# Altium PCB DSP-V1.0.PcbDoc (part 1 of 2) (continued)
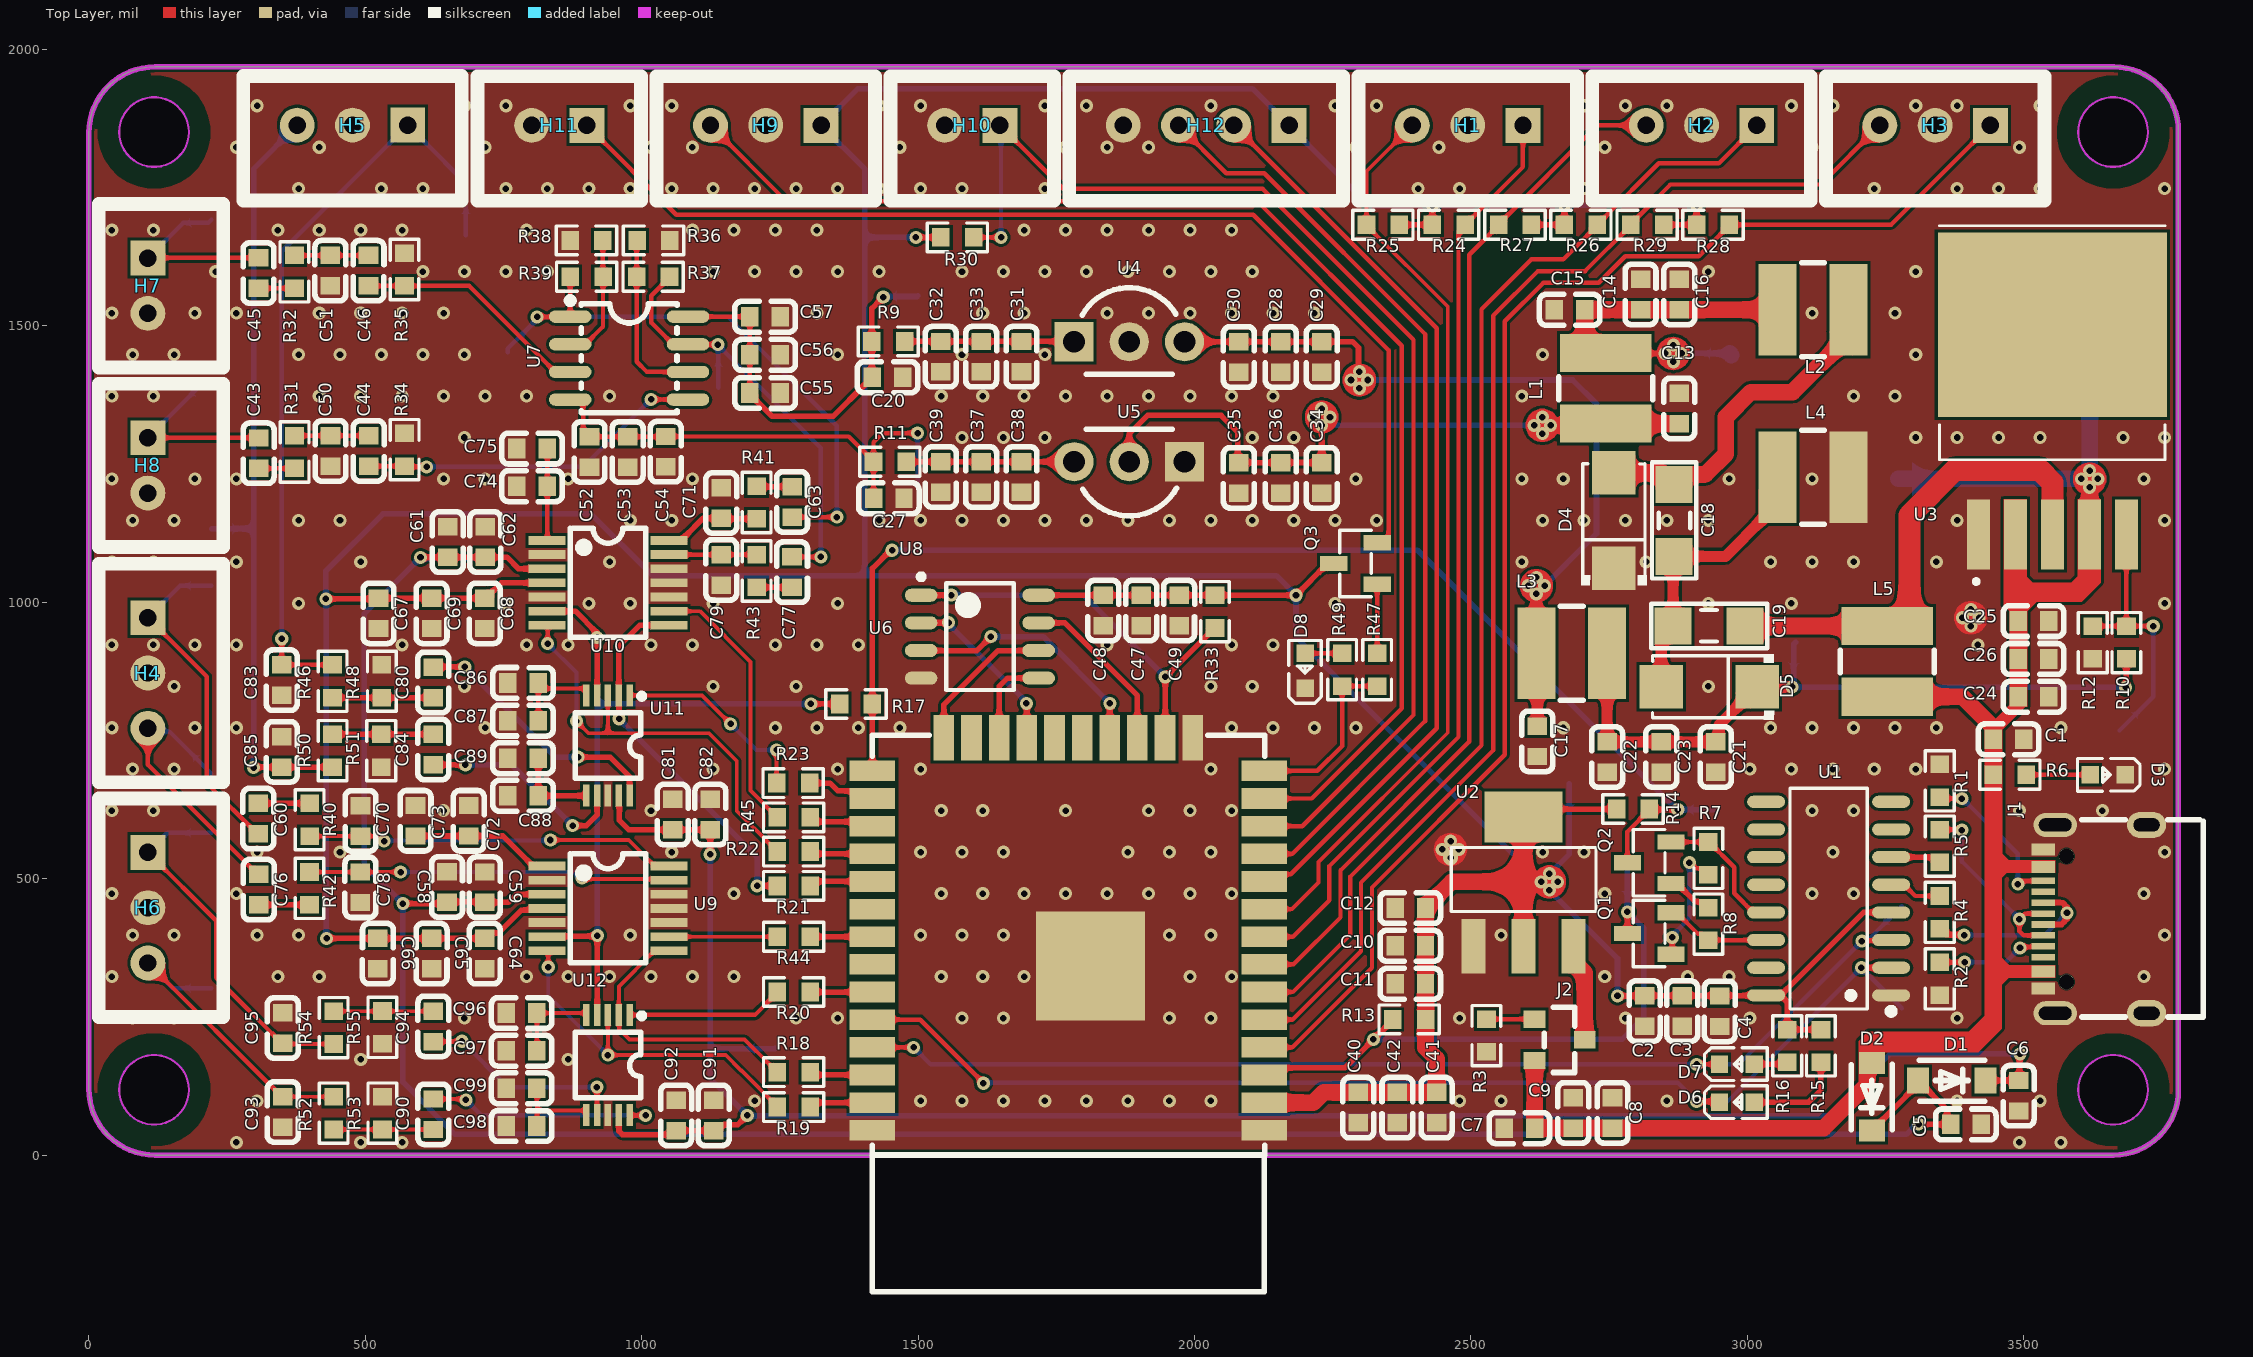
[diagram p0: Top Layer view]
## Components (designator, comment, footprint, x,y, rotation, side; value= is the part's Value field where it differs from the comment) (continued)
R32 "560" R0603 372,1597.59 r90 top
R33 "10kΩ" R0603 2037,983.03 r90 top
R34 "10kΩ" R0603 571.22,1275.88 r270 top
R35 "10kΩ" R0603 571,1601.78 r270 top
R36 "1kΩ" R0603 1021.35,1654.4 r180 top
R37 "5k1Ω" R0603 1020.66,1588.65 r0 top
R38 "1kΩ" R0603 900.16,1654.4 r0 top
R39 "5k1Ω" R0603 900.47,1588.65 r180 top
R40 "100Ω" R0603 399.5,606.61 r90 top
R41 "100Ω" R0603 1208,1180.5 r90 top
R42 "100Ω" R0603 399.25,482.41 r270 top
R43 "100Ω" R0603 1208,1056.52 r270 top
R44 "10Ω" R0603 1275,395 r180 top
R45 "10Ω" R0603 1275,611 r180 top
R46 "470Ω" R0603 441,857 r90 top
R47 "1kΩ" R0603 2330.37,878 r90 top
R48 "10kΩ" R0603 530,857.1 r270 top
R49 "100Ω" R0603 2267,878 r90 top
R50 "470Ω" R0603 441,731.59 r270 top
R51 "10kΩ" R0603 529,731.59 r90 top
R52 "470Ω" R0603 443,76 r90 top
R53 "10kΩ" R0603 531,76 r270 top
R54 "470Ω" R0603 443,230.68 r270 top
R55 "10kΩ" R0603 531,231 r90 top
SP1 "SP" SP 3630,1416 r90 top
SP2 "SP" SP 3630,1628 r90 top
TP1 "TP" TP 701.5,1077.5 r0 top
TP2 "TP" TP 1242,193 r0 top
TP3 "TP" TP 3273,1223 r0 top
TP4 "TP" TP 2678,672 r0 top
TP5 "TP" TP 3652,337 r0 top
TP6 "TP" TP 2971,1447 r0 top
TP7 "TP" TP 3087,928 r0 top
TP8 "TP" TP 3673,768 r0 top
TP9 "TP" TP 2782.89,515.14 r0 top
TP10 "TP" TP 2940,625 r90 top
TP11 "TP" TP 3652,513 r90 top
TP12 "TP" TP 3279,450.02 r90 top
TP13 "TP" TP 1703,584 r90 top
TP14 "TP" TP 3279,266 r90 top
TP15 "TP" TP 3652,425 r90 top
TP16 "TP" TP 1821,584 r90 top
TP17 "TP" TP 1499,1554 r90 top
TP18 "TP" TP 222,1399 r90 top
TP19 "TP" TP 222,1692 r90 top
TP20 "TP" TP 1499,1219 r90 top
TP21 "TP" TP 222,1030.04 r90 top
TP22 "TP" TP 758,1452 r90 top
TP23 "TP" TP 222,690 r90 top
TP24 "TP" TP 1139,1388 r90 top
TP25 "TP" TP 682,1664 r90 top
TP26 "TP" TP 222,1133 r90 top
TP27 "TP" TP 222,302 r90 top
TP28 "TP" TP 222,583 r90 top
U1 "CH340C" CH340C 3146.89,464 r90 top
U2 "AMS1117-3.3" AMS1117-3.3 2595,494.5 r270 top
U3 "XL6009" XL6009 3551.53,1312.43 r90 top
U4 "L78L12ACZ-AP" L78L12ACZ-AP 1882.02,1471.09 r0 top
U5 "L79L12ACZ-TR" L79L12ACZ-TR 1882.02,1254.12 r180 top
U6 "ESP32-WROOM-32D-N4" ESP32-WROOM-32D-N4 1771.65,399.92 r90 top
U7 "TL072CDR" TL072CDR 977.31,1441.53 r270 top
U8 "PSRAM64H" PSRAM64H 1611.78,937.69 r0 top
U9 "PCM1808PWR" PCM1808PWR 939,446.18 r270 top
U10 "PCM1808PWR" PCM1808PWR 939,1035 r270 top
U11 "CS4344-CZZR" CS4344-CZZR 939,741 r180 top
U12 "CS4344-CZZR" CS4344-CZZR 939,163 r180 top

## Footprints (in the part's own frame and the unit in brackets; to place one, negate y for a bottom-side part, rotate by r counter-clockwise, add the part's x,y. Pads: shape width x height; smd on the part's side, far side on the other; paste and mask are expansions set on the pad)
AMS1117-3.3 [mm]
  rect 2.5x1.1 smd paste+0 mask+0.051: 1(2.97,-2.3) 2(2.97,0) 3(2.97,2.3)
  rect 2.34x3.6 smd paste+0 mask+0.051: 4(-2.97,0)
  silkscreen extent -1.57,-3.33 1.37,3.33, body extent -3.37,-3.25 3.63,3.25, height 1.8
AO3401A [mm]
  rect 1x0.8 smd paste+0 mask+0.051: 1(1.15,-0.95) 2(1.15,0.95) 3(-1.15,0)
  silkscreen extent -0.7,-1.5 0.7,1.5, body extent -1.4,-1.45 1.4,1.45, height 1.26
C0603 [mm]
  rect 0.8x0.9 smd: 1(-0.7,0) 2(0.7,0)
  silkscreen extent -1.39,-0.71 1.39,0.71, body extent -0.8,-0.4 0.8,0.4, height 0.4
C1206 [mm]
  rect 1.7x1.7 smd: 1(-1.65,0) 2(1.65,0)
  silkscreen extent -2.67,-1.02 2.67,1.02, body extent -1.6,-0.8 1.6,0.8, height 0.6
CD43 [mm]
  rect 4.2x1.75 smd paste+0 mask+0.051: 1(0,1.625) 2(0,-1.625)
  silkscreen extent -2.16,-0.52 2.16,0.52, body extent -2,-2.25 2,2.25, height 3.22
CH340C [mm]
  oval 0.56x1.745 smd paste+0 mask+0.051: 1(-4.445,-2.873) 2(-3.175,-2.873) 3(-1.905,-2.873) 4(-0.635,-2.873) 5(0.635,-2.873) 6(1.905,-2.873) 7(3.175,-2.873) 8(4.445,-2.873) 9(4.445,2.873) 10(3.175,2.873) 11(1.905,2.873) 12(0.635,2.873) 13(-0.635,2.873) 14(-1.905,2.873) 15(-3.175,2.873) 16(-4.445,2.873)
  silkscreen extent -5.33,-3.02 5.08,1.77, body extent -4.95,-3.18 5.05,3.28, height 1.92
CS4344-CZZR [mm]
  rect 0.3x1 smd paste+0 mask+0.051: 1(-1,-2.3) 2(-0.5,-2.3) 3(0,-2.3) 4(0.5,-2.3) 5(1,-2.3) 6(1,2.3) 7(0.5,2.3) 8(0,2.3) 9(-0.5,2.3) 10(-1,2.3)
  silkscreen extent -1.68,-2.39 1.5,1.5, body extent -1.5,-2.45 1.5,2.45, height 1.11
ESP32-WROOM-32D-N4 [mm]
  rect 0.95x2.1 smd paste+0 mask+0.051: 1(-9.015,-9) 2(-7.745,-9) 3(-6.475,-9) 4(-5.205,-9) 5(-3.935,-9) 6(-2.665,-9) 7(-1.395,-9) 8(-0.125,-9) 9(1.145,-9) 10(2.415,-9) 11(3.685,-9) 12(4.955,-9) 13(6.225,-9) 14(7.495,-9) 25(7.495,9) 26(6.225,9) 27(4.955,9) 28(3.685,9) 29(2.415,9) 30(1.145,9) 31(-0.125,9) 32(-1.395,9) 33(-2.665,9) 34(-3.935,9) 35(-5.205,9) 36(-6.475,9) 37(-7.745,9) 38(-9.015,9)
  rect 2.1x0.95 smd paste+0 mask+0.051: 15(9.015,-5.715) 16(9.015,-4.445) 17(9.015,-3.175) 18(9.015,-1.905) 19(9.015,-0.635) 20(9.015,0.635) 21(9.015,1.905) 22(9.015,3.175) 23(9.015,4.445) 24(9.015,5.715)
  rect 5x5 smd paste+0 mask+0.051: 39(-1.472,-1.017)
  silkscreen extent -16.44,-9.02 9.12,9.02, body extent -16.48,-9.05 9.07,9.05, height 3.9
L78L12ACZ-AP [mm]
  rect 1.8x1.8 hole 1 paste-2539.97 mask+0.051: 1(-2.54,0)
  round 1.8 hole 1 paste-2539.97 mask+0.051: 2(0,0) 3(2.54,0)
  silkscreen extent -2.17,-1.5 2.14,2.48, body extent -2.84,-1.5 2.84,2.4, height 7.24
L79L12ACZ-TR [mm]
  rect 1.8x1.8 hole 1 paste-2539.97 mask+0.051: 1(-2.54,0)
  round 1.8 hole 1 paste-2539.97 mask+0.051: 2(0,0) 3(2.54,0)
  silkscreen extent -2.17,-1.5 2.14,2.48, body extent -2.84,-1.5 2.84,2.4, height 7.24
LED0603 [mm]
  rect 0.8x0.8 smd paste+0 mask+0.051: 1(-0.799,-0.004) 2(0.799,0.004)
  silkscreen extent -1.49,-0.75 1.39,0.76, body extent -0.8,-0.42 0.8,0.38, height 0.7
PCM1808PWR [mm]
  rect 0.4x1.7 smd paste+0 mask+0.051: 1(-1.95,-2.8) 2(-1.3,-2.8) 3(-0.65,-2.8) 4(0,-2.8) 5(0.65,-2.8) 6(1.3,-2.8) 7(1.95,-2.8) 8(1.95,2.8) 9(1.3,2.8) 10(0.65,2.8) 11(0,2.8) 12(-0.65,2.8) 13(-1.3,2.8) 14(-1.95,2.8)
  silkscreen extent -2.51,-1.74 2.5,1.74, body extent -2.5,-3.15 2.5,3.15, height 1.01
PSRAM64H [mm]
  oval 1.5x0.6 smd: 1(-2.7,1.905) 2(-2.7,0.635) 3(-2.7,-0.635) 4(-2.7,-1.905) 5(2.7,-1.905) 6(2.7,-0.635) 7(2.7,0.635) 8(2.7,1.905)
  silkscreen extent -2.82,-2.45 1.55,2.88, body extent -3,-2.45 3,2.45, height 1.76
R0603 [mil]
  rect 31.75x34.02 smd paste-3937.01 mask+2: 1(-29.66,0) 2(29.66,0)
  silkscreen extent -55,-26 55,26, body extent -31,-16 31,16, height 18
S8050 [mm]
  rect 1.25x0.7 smd paste+0 mask+0.051: 1(1,-0.95) 2(1,0.95) 3(-1,0)
  silkscreen extent -0.73,-1.53 0.73,1.53, body extent -1.25,-1.5 1.25,1.5, height 1.1
SOD4007 [mm]
  rect 1x1.2 smd paste+0 mask+0.051: 1(-1.55,0) 2(1.55,0)
  silkscreen extent -1.52,-0.93 1.49,0.95, body extent -1.9,-0.9 1.9,0.9, height 1.02
SP [mm]
  oval 3x5 smd far side paste+0 mask+0.051: 1(0,0)
SS34 [mm]
  rect 2x2 smd paste+0 mask+0.051: 1(-2.2,0) 2(2.2,0)
  silkscreen extent -2.98,-1.5 2.6,1.5, body extent -2.65,-1.29 2.49,1.27, height 2.63
TL072CDR [mil]
  oval 22.38x76.78 smd paste+0 mask+2: 1(-75,-106.5) 2(-25,-106.5) 3(25,-106.5) 4(75,-106.5) 5(75,106.5) 6(25,106.5) 7(-25,106.5) 8(-75,106.5)
  silkscreen extent -110,-112 98,87, body extent -96,-118 96,118, height 69
TP [mm]
  round 2 smd far side paste+0 mask+0.051: 1(0,0)
TYPE_C_FAMALE [mm]
  rect 0.55x1.1 smd paste-100 mask+0.05: 1(-3.2,2.375) 2(-2.4,2.375) 11(2.4,2.375) 12(3.2,2.375)
  rect 0.3x1.1 smd paste-100 mask+0.05: 3(-1.75,2.375) 4(-1.25,2.375) 5(-0.75,2.375) 6(-0.25,2.375) 7(0.25,2.375) 8(0.75,2.375) 9(1.25,2.375) 10(1.75,2.375)
  oval 1.2x1.8 hole 0.6 slot 1.2 at 90 deg paste-2539.97 mask+0.05: 13(-4.325,-2.375) 14(4.325,-2.375)
  oval 1.1x2 hole 0.6 slot 1.5 at 90 deg paste-2539.97 mask+0.05: 13(-4.325,1.825) 14(4.325,1.825)
  round 0.7 hole 0.7 unplated paste-2539.97: ""(-2.89,1.305) ""(2.89,1.305)
  silkscreen extent -4.5,-4.97 4.57,0.6, body extent -4.57,-5.09 4.63,2.86, height 3.21
XH2.54M-2 [mm]
  rect 1.6x1.6 hole 0.8: 1(0,0)
  round 1.6 hole 0.8: 2(2.54,0)
  silkscreen extent -2.48,-2.26 5.02,3.46, body extent -2.48,-2.26 5.02,3.48, height 6.91
XH2.54M-3 [mm]
  rect 1.6x1.6 hole 0.8: 1(0,0)
  round 1.6 hole 0.8: 2(2.54,0) 3(5.08,0)
  silkscreen extent -2.48,-2.26 7.56,3.46, body extent -2.48,-2.26 7.56,3.48, height 6.91
XH2.54M-4 [mm]
  rect 1.6x1.6 hole 0.8: 1(0,0)
  round 1.6 hole 0.8: 2(2.54,0) 3(5.08,0) 4(7.62,0)
  silkscreen extent -2.48,-2.26 10.1,3.46, body extent -2.48,-2.26 10.1,3.48, height 6.91
XL6009 [mm]
  rect 3.21x1.05 smd: 1(-4.815,3.4) 2(-4.815,1.7) 3(-4.815,0) 4(-4.815,-1.7) 5(-4.815,-3.4)
  rect 8.46x10.53 smd paste-6: 6(4.815,0)
  silkscreen extent -7.08,-5.18 9.37,5.18, body extent -5.86,-5.08 8.49,5.08, height 4.65

## Part data
C1 C2 C7 C10 C14 C21 C24 C28 C31 C34 C37 C40 C47 C52 C55 C59 C62 C64 C67 C72 C74 C82 C86 C88 C92 C96 C98: library part C0603_100nF_±10%_X7R, "50V 100nF X7R ±10% 0603 Multilayer Ceramic Capacitors MLCC - SMD/SMT ROHS", LCSC Part #=C14663, Manufacturer=YAGEO, Mfr. Part #=CC0603KRX7R9BB104, Package=0603, Temperature Coefficient=X7R, Tolerance=±10%, Capacitance=100nF, Link=https://www.lcsc.com/product-detail/C14663.html?s_z=n_capital%25200603%2520100nf
C3 C8 C11 C15 C22 C25 C29 C32 C35 C38 C41 C48 C53 C56 C65 C68 C73 C75 C87 C89 C97 C99: library part C0603_10uF_±10%_X7R, "25V 10uF X5R ±20% 0603 Multilayer Ceramic Capacitors MLCC - SMD/SMT ROHS", LCSC Part #=C596327, Manufacturer=YAGEO, Mfr. Part #=CC0603MRX5R8BB106, Package=0603, Temperature Coefficient=X5R, Tolerance=±20%, Capacitance=10uF, Link=https://www.lcsc.com/product-detail/C596327.html?s_z=n_capital%25200603%252010uF%2520yageo
C4 C9 C12 C16 C23 C26 C30 C33 C36 C39 C42 C49 C54 C57 C66 C69: library part C0603_22uF_±20%_X5R, "6.3V 22uF X5R ±20% 0603 Multilayer Ceramic Capacitors MLCC - SMD/SMT ROHS", LCSC Part #=C109448, Manufacturer=YAGEO, Mfr. Part #=CC0603MRX5R5BB226, Package=0603, Temperature Coefficient=X5R, Tolerance=±20%, Capacitance=22uF, ComponentLink1Description="New link", Link=https://www.lcsc.com/product-detail/C109448.html?s_z=n_capital%25200603%252022uf%2520yageo
C5 C6 C58 C60 C61 C63 C76 C77 C81 C91: library part C0603_1uF_±10%_X7R, "50V 1uF X7R ±10% 0603 Multilayer Ceramic Capacitors MLCC - SMD/SMT ROHS", LCSC Part #=C559769, Manufacturer=YAGEO, Mfr. Part #=CC0603KRX7R9BB105, Package=0603, Temperature Coefficient=X7R, Tolerance=±10%, Capacitance=1uF, Link=https://www.lcsc.com/product-detail/C559769.html?s_z=n_capital%25200603%25201uF%2520yageo
C13 C17: library part C0603_100nF_±1%, "50V 10pF NP0 ±1% 0402 Multilayer Ceramic Capacitors MLCC - SMD/SMT ROHS", LCSC Part #=C513681, Manufacturer=YAGEO, Mfr. Part #=CC0402FRNPO9BN100, Package=0603, Tolerance=±1%, Voltage Rating=50V, Capacitance=100nF, Link=https://www.lcsc.com/product-detail/C513681.html?s_z=n_capital%2520yageo%252010pF%25200402
C18 C19: library part C1206_22uF_±1%, "25V 22uF X5R ±10% 1206 Multilayer Ceramic Capacitors MLCC - SMD/SMT ROHS", LCSC Part #=C2178233, Manufacturer=YAGEO, Mfr. Part #=CC1206KKX5R8BB226, Package=1206, Tolerance=±10%, Voltage Rating=25V, Capacitance=22uF, Link=https://www.lcsc.com/product-detail/C2178233.html?s_z=n_capital%25201206%252022uf%2520yageo
C20 C27: library part C0603_680nF_±1%, "25V 680nF X5R ±10% 0603 Multilayer Ceramic Capacitors MLCC - SMD/SMT ROHS", LCSC Part #=C327005, Manufacturer=YAGEO, Mfr. Part #=CC0603KRX5R8BB684, Package=0603, Tolerance=±10%, Voltage Rating=25V, Capacitance=680nF, Link=https://www.lcsc.com/product-detail/C327005.html?s_z=n_capital%2520yageo%2520680%2520nF%25200603
C43 C45: library part C0603_1uF_±1%, "50V 10pF NP0 ±1% 0402 Multilayer Ceramic Capacitors MLCC - SMD/SMT ROHS", LCSC Part #=C513681, Manufacturer=YAGEO, Mfr. Part #=CC0402FRNPO9BN100, Package=0603, Tolerance=±1%, Voltage Rating=50V, Capacitance=1uF, Link=https://www.lcsc.com/product-detail/C513681.html?s_z=n_capital%2520yageo%252010pF%25200402
C44 C46 C70 C71 C78 C79: library part C0603_10nF_±1%, "50V 10pF NP0 ±1% 0402 Multilayer Ceramic Capacitors MLCC - SMD/SMT ROHS", LCSC Part #=C513681, Manufacturer=YAGEO, Mfr. Part #=CC0402FRNPO9BN100, Package=0603, Tolerance=±1%, Voltage Rating=50V, Capacitance=10nF, Link=https://www.lcsc.com/product-detail/C513681.html?s_z=n_capital%2520yageo%252010pF%25200402
C50 C51: library part C0603_10nF_±1%, "50V 10pF NP0 ±1% 0402 Multilayer Ceramic Capacitors MLCC - SMD/SMT ROHS", Capacitance=10nF, LCSC Part #=C513681, Manufacturer=YAGEO, Mfr. Part #=CC0402FRNPO9BN100, Package=0603, Tolerance=±1%, Voltage Rating=50V, Link=https://www.lcsc.com/product-detail/C513681.html?s_z=n_capital%2520yageo%252010pF%25200402
C80 C84 C90 C94: library part C0603_10uF_±1%, "50V 10pF NP0 ±1% 0402 Multilayer Ceramic Capacitors MLCC - SMD/SMT ROHS", LCSC Part #=C513681, Manufacturer=YAGEO, Mfr. Part #=CC0402FRNPO9BN100, Package=0603, Tolerance=±1%, Voltage Rating=50V, Capacitance=10uF, Link=https://www.lcsc.com/product-detail/C513681.html?s_z=n_capital%2520yageo%252010pF%25200402
C83 C85 C93 C95: library part C0603_33nF_±10%, "100mW Thick Film Resistor 75V ±100ppm/℃ ±1% 470Ω 0603 Chip Resistor - Surface Mount ROHS", LCSC Part #=C106856, Manufacturer=YAGEO, Mfr. Part #=CC0603KRX7R9BB333, Package=0603, Temperature Coefficient=X7R, Tolerance=±10%, Voltage Rating=50V, Capacitance=33nF, Link=https://www.lcsc.com/product-detail/C106856.html?s_z=n_capital%2520yageo%25200603%252033nF
D1 D2: "1A Independent 1kV 1.1V@1A SOD-123FL Diodes - General Purpose ROHS", Current - Rectified=1A, LCSC Part #=C18124, Manufacturer="MDD(Microdiode Semiconductor)", Package=SOD-123FL, Voltage - DC Reverse(Vr)=1kV, Link=https://www.lcsc.com/product-detail/C18124.html?s_z=n_SOD4007, Mfr. Part #=SOD4007
D3 D6 D7 D8: library part D0603_YELLOW, "25mcd~40mcd Water Clear -40℃~+85℃ 624nm Red 120° 60mW 0402 LED Indication - Discrete ROHS", LCSC Part #=C965793, Manufacturer=XINGLIGHT, Mfr. Part #=XL-1005UGC, Package=0603, Power(Watts)=60mW, Voltage - Forward(Vf)=3V, Illumination Color=YELLOW, Link=https://www.lcsc.com/product-detail/C136765.html?s_z=n_LED%25200402%2520RED
D4 D5: "40V Independent 3A 550mV@3A SMA(DO-214AC) Schottky Diodes ROHS", Current - Rectified=3A, LCSC Part #=C8678, Manufacturer="MDD(Microdiode Semiconductor)", Package=SMA(DO-214AC), Voltage - DC Reverse(Vr)=40V, Link=https://www.lcsc.com/product-detail/C8678.html?s_z=n_SS34, Mfr. Part #=SS34
H1 H2 H3 H4 H5 H6: "Cắm", Chung_Loai=Cắm, Don_Vi=Con, Ma_Hang=MH001292, Ten_Linh_Kien="Header 3P XH2.54-3P Đực Thẳng"
H7 H8 H10 H11: library part "Header 2P 2.54 Duc Thang", "Cắm", Chung_Loai=Cắm, Don_Vi=Con, Ma_Hang=MH001283, Ten_Linh_Kien="Header 2P XH2.54-2P Đực Thẳng"
H9: library part "Header 3P 2.54 Duc Thang", "Cắm", Chung_Loai=Cắm, Don_Vi=Con, Ma_Hang=MH001292, Ten_Linh_Kien="Header 3P XH2.54-3P Đực Thẳng"
H12: library part "Header 4P 2.54 Duc Thang", "Cắm", Chung_Loai=Cắm, Don_Vi=Con, Ma_Hang=MH001285, Ten_Linh_Kien="Header 4P XH2.54-4P Đực Thẳng"
J1: library part TYPE_C_FAMALE_16PIN, "3A 1 Surface Mount, Right Angle 16P Female -25℃~+85℃ Type-C SMD USB Connectors ROHS", LCSC Part #=C2765186, Manufacturer="SHOU HAN", Package=SMD, Link=https://www.lcsc.com/product-detail/C2765186.html?s_z=n_type%2520c, Mfr. Part #="TYPE-C 16PIN 2MD(073)", Number of Contacts=16P
J2: library part AO3401, "30V 4A 900mV@250uA 1 P-Channel SOT-23 MOSFETs ROHS", Current - Continuous Drain(Id)=4A, Drain to Source Voltage=30V, LCSC Part #=C15127, Manufacturer=AOS, Package=SOT-23, Link=https://www.lcsc.com/product-detail/C15127.html?s_z=n_AO3401, Mfr. Part #=AO3401A
L1 L3: library part CD4-10UH, "1.15A 10uH Unshielded Inductor ±20% SMD,4x4.5mm Power Inductors ROHS", Current Rating=1.15A, DC Resistance(DCR)=182mΩ, LCSC Part #=C18734467, Manufacturer=ZE, Mfr. Part #=CD43-100M, Package=SMD,4x4.5mm, Tolerance=±20%, Inductance=10uH, Key Attributes="FIXED IND 10uH 1.15A 182mΩ SMD,4x4.5mm", Link=https://www.lcsc.com/product-detail/C18734467.html?s_z=n_CD43%252010uH
L2 L4 L5: library part CD4-220UH, "360mA 220uH ±20% SMD,4.5x4x3.2mm Power Inductors ROHS", Current Rating=360mA, DC Resistance(DCR)=3.4Ω, LCSC Part #=C492283, Manufacturer=YJYCOIN, Mfr. Part #=CD43YP0403-221M, Package=SMD,4.5x4x3.2mm, Tolerance=±20%, Inductance=220uH, Key Attributes="FIXED IND 220uH 360mA 3.4Ω SMD,4.5x4x3.2mm", Link=https://www.lcsc.com/product-detail/C492283.html?s_z=n_220uH%2520cd43
Q1 Q2 Q3: "25V 300mW 500mA SOT-23 Bipolar (BJT) ROHS", Current - Collector(Ic)=500mA, LCSC Part #=C916390, Manufacturer=JSMSEMI, Package=SOT-23, Transition frequency(fT)=150MHz, Key Attributes="TRANS 25V 500mA SOT-23", Link=https://www.lcsc.com/product-detail/C916390.html?s_z=n_s8050, Mfr. Part #=S8050, Vce Saturation(VCE(sat))=600mV
R1 R2 R37 R39: library part R0603_5k1Ω_±1%, "100mW Thick Film Resistor 75V ±100ppm/℃ ±1% 5.1kΩ 0603 Chip Resistor - Surface Mount ROHS", LCSC Part #=C2907044, Manufacturer=FOJAN, Mfr. Part #=FRC0603F5101TS, Package=0603, Tolerance=±1%, Key Attributes="RES 5.1kΩ ±1% 100mW 0603", Link=https://www.lcsc.com/product-detail/C2907044.html?s_z=n_5k1%25200603, Resistance=5k1Ω
R3: library part R0603_1kΩ_±1%, "100mW Thick Film Resistor 75V ±100ppm/℃ ±1% 1kΩ 0603 Chip Resistor - Surface Mount ROHS", LCSC Part #=C22548, Manufacturer=YAGEO, Mfr. Part #=RC0603FR-071KL, Package=0603, Tolerance=±1%, Key Attributes="RES 1kΩ ±1% 100mW 0603", Link=https://www.lcsc.com/product-detail/C22548.html?s_z=n_resistor%25200603%25201k%2520yageo, Resistance=1kΩ
R4 R5: library part R0603_0Ω_±5%, "100mW Thick Film Resistor 75V ±5% 0Ω 0603 Chip Resistor - Surface Mount ROHS", LCSC Part #=C95177, Manufacturer=YAGEO, Mfr. Part #=RC0603JR-070RL, Package=0603, Tolerance=±5%, Key Attributes="RES 0Ω ±5% 100mW 0603", Link=https://www.lcsc.com/product-detail/C138066.html?s_z=n_resistor%25200402%252010R, Resistance=0Ω
R6 R12 R15 R16 R36 R38 R47: library part R0603_1kΩ_±1%, "62.5mW Thick Film Resistor 50V ±1% ±200ppm/℃ 10Ω 0402 Chip Resistor - Surface Mount ROHS", LCSC Part #=C138066, Manufacturer=YAGEO, Mfr. Part #=RC0402FR-0710RL, Package=0603, Tolerance=±1%, Link=https://www.lcsc.com/product-detail/C138066.html?s_z=n_resistor%25200402%252010R, Resistance=1kΩ
R7 R8 R10 R33 R34 R35 R48 R51 R53 R55: library part R0603_10kΩ_±1%, "62.5mW Thick Film Resistor 50V ±1% ±200ppm/℃ 10Ω 0402 Chip Resistor - Surface Mount ROHS", LCSC Part #=C138066, Manufacturer=YAGEO, Mfr. Part #=RC0402FR-0710RL, Package=0603, Tolerance=±1%, Link=https://www.lcsc.com/product-detail/C138066.html?s_z=n_resistor%25200402%252010R, Resistance=10kΩ
R9 R11: library part R0603_2Ω_±5%, "100mW Thick Film Resistor 75V ±1% ±200ppm/℃ 2Ω 0603 Chip Resistor - Surface Mount ROHS", LCSC Part #=C185341, Manufacturer=YAGEO, Mfr. Part #=RC0603FR-072RL, Package=0603, Tolerance=±1%, Key Attributes="RES 0Ω ±5% 100mW 0603", Link=https://www.lcsc.com/product-detail/C185341.html?s_z=n_resistor%2520yageo%25202%25CE%25A9%25200603, Resistance=2Ω
R13 R14 R24 R25 R26 R27 R28 R29 R30: library part R0603_4k7Ω_±1%, "62.5mW Thick Film Resistor 50V ±1% ±200ppm/℃ 10Ω 0402 Chip Resistor - Surface Mount ROHS", LCSC Part #=C138066, Manufacturer=YAGEO, Mfr. Part #=RC0402FR-0710RL, Package=0603, Tolerance=±1%, Link=https://www.lcsc.com/product-detail/C138066.html?s_z=n_resistor%25200402%252010R, Resistance=4k7Ω
R17 R18 R19 R20 R21 R22 R23 R44 R45: library part R0603_10Ω_±1%, "62.5mW Thick Film Resistor 50V ±1% ±200ppm/℃ 10Ω 0402 Chip Resistor - Surface Mount ROHS", LCSC Part #=C138066, Manufacturer=YAGEO, Mfr. Part #=RC0402FR-0710RL, Package=0603, Tolerance=±1%, Link=https://www.lcsc.com/product-detail/C138066.html?s_z=n_resistor%25200402%252010R, Resistance=10Ω
R31 R32: library part R0603_1kΩ_±1%, "62.5mW Thick Film Resistor 50V ±1% ±200ppm/℃ 10Ω 0402 Chip Resistor - Surface Mount ROHS", LCSC Part #=C138066, Manufacturer=YAGEO, Mfr. Part #=RC0402FR-0710RL, Package=0603, Resistance=1kΩ, Tolerance=±1%, Link=https://www.lcsc.com/product-detail/C138066.html?s_z=n_resistor%25200402%252010R
R40 R41 R42 R43 R49: library part R0603_100Ω_±1%, "62.5mW Thick Film Resistor 50V ±1% ±200ppm/℃ 10Ω 0402 Chip Resistor - Surface Mount ROHS", LCSC Part #=C138066, Manufacturer=YAGEO, Mfr. Part #=RC0402FR-0710RL, Package=0603, Tolerance=±1%, Link=https://www.lcsc.com/product-detail/C138066.html?s_z=n_resistor%25200402%252010R, Resistance=100Ω
R46 R50 R52 R54: library part R0603_470Ω_±1%_1, "62.5mW Thick Film Resistor 50V ±1% ±200ppm/℃ 10Ω 0402 Chip Resistor - Surface Mount ROHS", LCSC Part #=C114669, Manufacturer=YAGEO, Mfr. Part #=RC0603FR-07470RL, Package=0603, Tolerance=±1%, Key Attributes="RES 470Ω ±1% 100mW 0603", Link=https://www.lcsc.com/product-detail/C114669.html?s_z=n_resistor%2520470%25CE%25A9%25200603%2520yageo, Resistance=470Ω
U1: "2Mbps Transceiver USB 2.0 SOP-16 USB Converters ROHS", LCSC Part #=C84681, Manufacturer=WCH, Package=SOP-16, Voltage - Supply=3.3V;5V, Link=https://www.lcsc.com/product-detail/C84681.html?s_z=n_CH340C, Mfr. Part #=CH340C
U2: "72dB@(120Hz) 1A Fixed 3.3V Positive 16V SOT-223 Voltage Regulators - Linear, Low Drop Out (LDO) Regulators ROHS", LCSC Part #=C6186, Manufacturer="Advanced Monolithic Systems", Output Current=1A, Package=SOT-223, Link=https://www.lcsc.com/product-detail/C6186.html?s_z=n_ams1117-3.3, Mfr. Part #=AMS1117-3.3
U4: library part L7812CV-DG, "42dB@(120Hz) 100mA Fixed 12V Positive 35V TO-92-3 Voltage Regulators - Linear, Low Drop Out (LDO) Regulators ROHS", LCSC Part #=C262913, Output Voltage=12V, Package=TO-92-3, Voltage - Supply=35V, Voltage Dropout=1.7V, Key Attributes="0.1A Positive Voltage Regulator", Link=https://www.lcsc.com/product-detail/C262913.html?s_z=n_78L12, Mfr. Part #=L78L12ACZ-AP, Number of Outputs=1, Output Configuration=Positive, Parameter 1=ST
U5: "37dB@(120Hz) 100mA Fixed 12V Negative 27V TO-92-3 Voltage Regulators - Linear, Low Drop Out (LDO) Regulators ROHS", LCSC Part #=C2942984, Output Voltage=12V, Package=TO-92-3, Voltage - Supply=27V, Voltage Dropout=1.7V, Key Attributes="Negative Voltage Regulator", Link=https://www.lcsc.com/product-detail/C2942984.html?s_z=n_79L12, Mfr. Part #=L79L12ACZ-TR, Number of Outputs=1, Output Configuration=Positive, Parameter 1=ST
U6: library part "ESPRESSIF ESP32-WROOM-32D-N4", "SMD,18x25.5mm WiFi Modules ROHS", LCSC Part #=C473012, Manufacturer=ESPRESSIF, Package=SMD,18x25.5mm, Link=https://www.lcsc.com/product-detail/C473012.html?s_z=n_esp32-wroom-32d, Mfr. Part #=ESP32-WROOM-32D-N4
U7: "3mV 65pA 3MHz 13V/us 2 SOIC-8 FET Input Amplifiers ROHS", LCSC Part #=C67473, Manufacturer=TI, Package=SOIC-8, Dual Supply=-15V~15V, Gain Bandwidth Product=3MHz, Link=https://www.lcsc.com/product-detail/C67473.html?s_z=n_TL072CDR, Mfr. Part #=TL072CDR, Noise density(eN)=18nV/√Hz@1kHz, Number of Channels=2
U9 U10: "4.5V~5.5V 24 I2S TSSOP-14 ADCs/DACs - Special Purpose ROHS", LCSC Part #=C55513, Manufacturer=TI, Package=TSSOP-14, Voltage - Supply=4.5V~5.5V, Interface=I2S, Key Attributes="Single-ended analog input 24-bit 96kHz stereo A/D converter", Link=https://www.lcsc.com/product-detail/C55513.html?s_z=n_pcm1808, Mfr. Part #=PCM1808PWR, Number of Channels=2
U11 U12: "250ms I2S 3.3V~5V 24 TSSOP-10-3mm Digital to Analog Converters (DAC) ROHS", LCSC Part #=C8952, Manufacturer="Cirrus Logic", Package=TSSOP-10-3mm, Voltage - Supply=3.3V~5V, Interface=I2S, Key Attributes="10-Pin, 24-Bit, 192 kHz Stereo D/A Converter", Link=https://www.lcsc.com/product-detail/C8952.html?s_z=n_cs4344, Mfr. Part #=CS4344-CZZR, Number of Channels=2

## Via types
v1: diameter 23.62, hole 11.81, Top Layer to Bottom Layer, tented both sides, 491 vias
v2: diameter 27.56, hole 11.81, Top Layer to Bottom Layer, tented both sides, 1 vias

## Nets (pads, with @x,y where several pads share a name; then routed paths per layer and width w, separated by ;. In a path a pad name is that pad's centre, name@x,y a point inside that pad or via, vN(x,y) a via of type N, cw(c..) or ccw(c..) an arc to the next point about the centre after c; other vN are vias at no path point)
+3.3V: C2.2 C3.2 C4.2 C10.2 C11.2 C12.2 C40.2 C41.2 C42.2 C47.2 C48.2 C49.2 C64.2 C65.2 C66.2 C67.2 C68.2 C69.2 H9.1 H12.1 Q3.3 R13.1 R14.1 R15.1 R16.1 R24.1 R25.2 R26.1 R27.2 R28.1 R29.2 R30.2 R33.2 TP4.1 U1.4 U1.16 U2.2 U2.4 U6.2 U8.8 U9.4 U10.4 | length 10031
  Top Layer w10: v1(429,1006) 522.44,1006 C67.2@524,1007.56 C69.2@620,1007.56 C68.2@716.26,1007.56 718.22,1007.56 745.66,1035 U10.4@828.76,1035 ; v1(430,392) C66.2@523,392 C65.2@620,392 C64.2@716.25,392 726.22,401.96 740.96,401.96 782.3,443.3 825.89,443.3 U9.4@828.76,446.18 ; v1(1496,1660) R30.2@1541.34,1660 ; U8.8@1718.08,1012.69 C48.2@1835,1012.69 C47.2@1903.43,1012.69 C49.2@1972,1012.69 R33.2@2037,1012.69 v1(2183.5,1012.69) 2240.81,1070 Q3.3@2251.63,1070 ; R25.2@2370.32,1682.72 R24.1@2430,1682.72 v1(2430,1717) ; U2.4@2595,611.43 2609.57,626 R14.1@2763.34,626 ; R27.2@2609.32,1682.72 R26.1@2669,1682.72 v1(2669,1718) ; v1(2765,288) C2.2@2813.94,288 ; C2.2@2814,288.06 2814.47,288.53 U1.16@3033.33,288.53 ; R29.2@2848.32,1682.72 R28.1@2908,1682.72 2908,1716 v1(2908,1718) ; U1.16@3033.8,289 U1.16@3060.12,289 ; R15.1@3133,227.16 R16.1@3072,227.16 3072,277.12 U1.16@3060.12,289 ; U1.4@3259.98,439 3210.12,439 U1.16@3060.12,289
  Top Layer w30: U6.2@2125.98,95 2215,95 2233.38,113.38 C40.2@2296,113.38 C42.2@2367,113.38 C41.2@2437.78,113.38 2437.78,174.22 2417.78,194.22 R13.1@2417.78,245.5 C11.2@2417.78,310 C10.2@2417.78,378.75 C12.2@2417.78,447 2417.78,448.97 2418.53,449.72 2420.49,449.72 2465.28,494.5 2595,494.5 ; U2.2@2595,377.57 2595,494.5 ; U2.4@2595,611.43 2595,494.5 ; v1@2627,494 2626.5,494.5 2595,494.5 ; C2.2@2813.94,288 C2.2@2814,288.06
  Bottom Layer w10: v1(430,392) 429.5,392.5 429.5,1005.5 v1(429,1006) 429,1057 532,1160 908.05,1160 1020.05,1048 1403.69,1048 ; v1(1496,1660) 1403.69,1660 ; TP4.1@2678,672 2678,545 v1@2627,494 ; v1(2765,288) 2765,356 v1@2627,494 ; v1(2908,1718) v1(2669,1718) 2668.5,1717.5 2430.5,1717.5 v1(2430,1717) 2316.5,1717 H12.1@2171,1862.5 2104.5,1929 1391.02,1929 H9.1@1324.53,1862.5 1403.69,1783.34 1403.69,1660 ; 1403.69,1048 1403.69,1660 ; 1403.69,1048 2148.19,1048 v1(2183.5,1012.69) 2183.5,937.5 v1@2627,494
  other v1: 2641.75,479.25 2626.75,494.25 2656.75,494.25 2641.75,509.25
+3.7: C6.2 C81.2 C82.2 C91.2 C92.2 D1.1 TP2.1 U11.9 U12.9 | length 3616.1
  Top Layer w10: U12.9@958.69,72.45 958.69,43.31 965,37 1054.81,37 C92.2@1062.25,44.44 C91.2@1130.25,44.44 1141,55.19 1174.19,55.19 v1(1191,72) ; U11.9@958.69,650.45 959.59,649.55 959.59,605.61 976.76,588.44 C81.2@1056.25,588.44 C82.2@1124.25,588.44 1124,588.19 v1(1124,544) ; D1.1@3430.55,135 C6.2@3490.53,135 3492,136.47 3492,182 v1(3493,183)
  Bottom Layer w10: v1(1124,544) 1124,192 ; TP2.1@1242,193 1241,192 1124,192 ; v1(3493,183) 3258,183 3146,71 1192,71 v1(1191,72) 1124,139 1124,192
+4.3: C5.2 C58.2 C59.2 C61.2 C62.2 D1.2 D2.1 TP1.1 U9.3 U10.3 | length 4709.5
  Top Layer w10: v1(568,455) 645,455 648,458 715.28,458 C59.2@716.25,457.03 758.7,457.03 773.44,471.77 U9.3@828.76,471.77 ; v1(600,1081) 600.44,1081.44 C61.2@649.25,1081.44 C62.2@717.25,1081.44 756.14,1081.44 777,1060.59 U10.3@828.76,1060.59 ; D2.1@3225,44.48 3228.94,44.48 3243.62,59.17 3243.62,63.1 3293.82,113.3 3293.82,120.31 D1.2@3308.5,135 3308.5,131.06 3323.19,116.38 3327.13,116.38 3361.14,82.36 3361.14,61.8 C5.2@3367.44,55.5 3316.5,55.5 3315.86,56.14 v1(3309.56,56.14)
  Bottom Layer w10: TP1.1@701.5,1077.5 699.76,1079.25 601.75,1079.25 v1(600,1081) 498,979 498,525 v1(568,455) 568,132 662.54,37.46 3287.35,37.46 3306.03,56.14 v1(3309.56,56.14)
+12V: C31.2 C32.2 C33.2 R9.1 U4.1 | length 306.6
  Top Layer w10: R9.1@1475.66,1471.67 C32.2@1541.02,1471.67 C33.2@1614,1471.67 C31.2@1687.06,1471.67 1781.45,1471.67 U4.1@1782.02,1471.09
+12V-RC-FILTER: C20.1 C55.2 C56.2 C57.2 R9.2 TP17.1 U7.8 | length 737.4
  Top Layer w8: U7.8@1083.81,1516.53 1195.65,1516.53 C57.2@1195.79,1516.4 C56.2@1195.79,1447.4 C55.2@1195.79,1378.4
  Top Layer w10: C55.2@1195.79,1378.4 1195.79,1376.43 1236.22,1336 1346.17,1336 1404.45,1394.28 1406.42,1394.28 1417.17,1405.03 C20.1@1417.17,1407 1416.34,1407.83 1416.34,1531.34 v1(1437,1552)
  Bottom Layer w10: v1(1437,1552) 1438,1553 1498,1553 TP17.1@1499,1554
+15V: C21.2 C22.2 C23.2 D5.1 L3.1 R10.2 TP7.1 | length 1289.9
  Top Layer w10: v1(3684,846) 3685.39,847.38 R10.2@3685.39,897.42
  Top Layer w20: L3.1@2746.16,908 C22.2@2746.16,747.56 C23.2@2844.16,747.56 C21.2@2942.78,747.56 2948.29,753.07 2948.29,777.94 D5.1@3017.34,847 v1(3081,847)
  Bottom Layer w10: TP7.1@3087,928 3083.61,924.61 3083.61,849.61 v1(3081,847) 3081.5,846.5 3683.5,846.5 v1(3684,846)
+15V-LC-FILTER: C17.1 C28.2 C29.2 C30.2 L3.2 U4.3 | length 1445.1
  Top Layer w8: L3.2@2618.2,908 L3.2@2620,906.2
  Top Layer w10: U4.3@1982.02,1471.09 2229.78,1471.09 C29.2@2230.02,1471.34 2285.66,1471.34 2296.52,1460.48 2296.52,1418.48 v1(2313,1402)
  Top Layer w20: v1(2618,1015) 2618.2,1014.8 L3.2@2618.2,908 ; C17.1@2620,776.06 L3.2@2620,906.2
  Bottom Layer w10: v1(2313,1402) 2684,1402 2727,1359 2727,1124 v1(2618,1015)
  other v1: 2603.2,1029.8 2633.2,1029.8 2618.2,1044.8 2298,1387 2283,1402 2298,1417
-12V: C37.2 C38.2 C39.2 R11.1 U5.3 | length 303.4
  Top Layer w10: R11.1@1478.66,1254.12 C39.2@1541.02,1254.12 C37.2@1614,1254.12 C38.2@1687.06,1254.12 U5.3@1782.02,1254.12
-12V-RC-FILTER: C27.1 C52.2 C53.2 C54.2 R11.2 TP20.1 U7.4 | length 898.6
  Top Layer w8: U7.4@870.81,1366.53 887.48,1366.53 894.12,1359.89 894.12,1310.91 C52.2@905.63,1299.4 C53.2@974.63,1299.4 1043.01,1299.4 C54.2@1043.45,1299.84 1374.75,1299.84 R11.2@1419.34,1255.26 ; C27.1@1419.44,1188 1419.34,1188.1 R11.2@1419.34,1254.12 R11.2@1419.34,1255.26 ; v1(1499,1306) 1436,1306 1419.34,1289.34 R11.2@1419.34,1255.26
  Bottom Layer w8: TP20.1@1499,1219 v1(1499,1306)
-15V: C14.2 C15.2 C16.2 L1.1 L2.2 TP6.1 | length 681.6
  Top Layer w10: L1.1@2744.51,1450 v1(2851,1450)
  Top Layer w30: L1.1@2744.51,1450 L1.1@2743.53,1450.98 2725.54,1450.98 2706.09,1470.43 C15.2@2706.09,1529 C14.2@2806.69,1529 C16.2@2876.53,1529 L2.2@3054.55,1529
  Bottom Layer w10: v1(2851,1450) TP6.1@2968,1450
  Bottom Layer w30: TP6.1@2968,1450 TP6.1@2971,1447
  other v1: 2866,1435 2881,1450 2866,1465
-15V-LC-FILTER: C13.1 C34.2 C35.2 C36.2 L1.2 U5.2 | length 1195.5
  Top Layer w10: U5.2@1882.02,1254.12 1882.02,1305.02 1915,1338 2048,1338 2078.19,1307.82 2078.19,1252.57 C36.2@2156.06,1252.57 C34.2@2230.02,1252.57 ; C34.2@2230.02,1252.57 v1(2230,1320)
  Top Layer w30: v1(2644,1320) 2740.51,1320 L1.2@2743.53,1323.02 C13.1@2876.53,1323.02
  Bottom Layer w10: v1(2230,1320) v1(2644,1320)
  other v1: 2629,1305 2614,1320 2215,1335 2245,1335 2629,1335 2230,1350